# KiCad board vme-wren.kicad_pcb (continued)
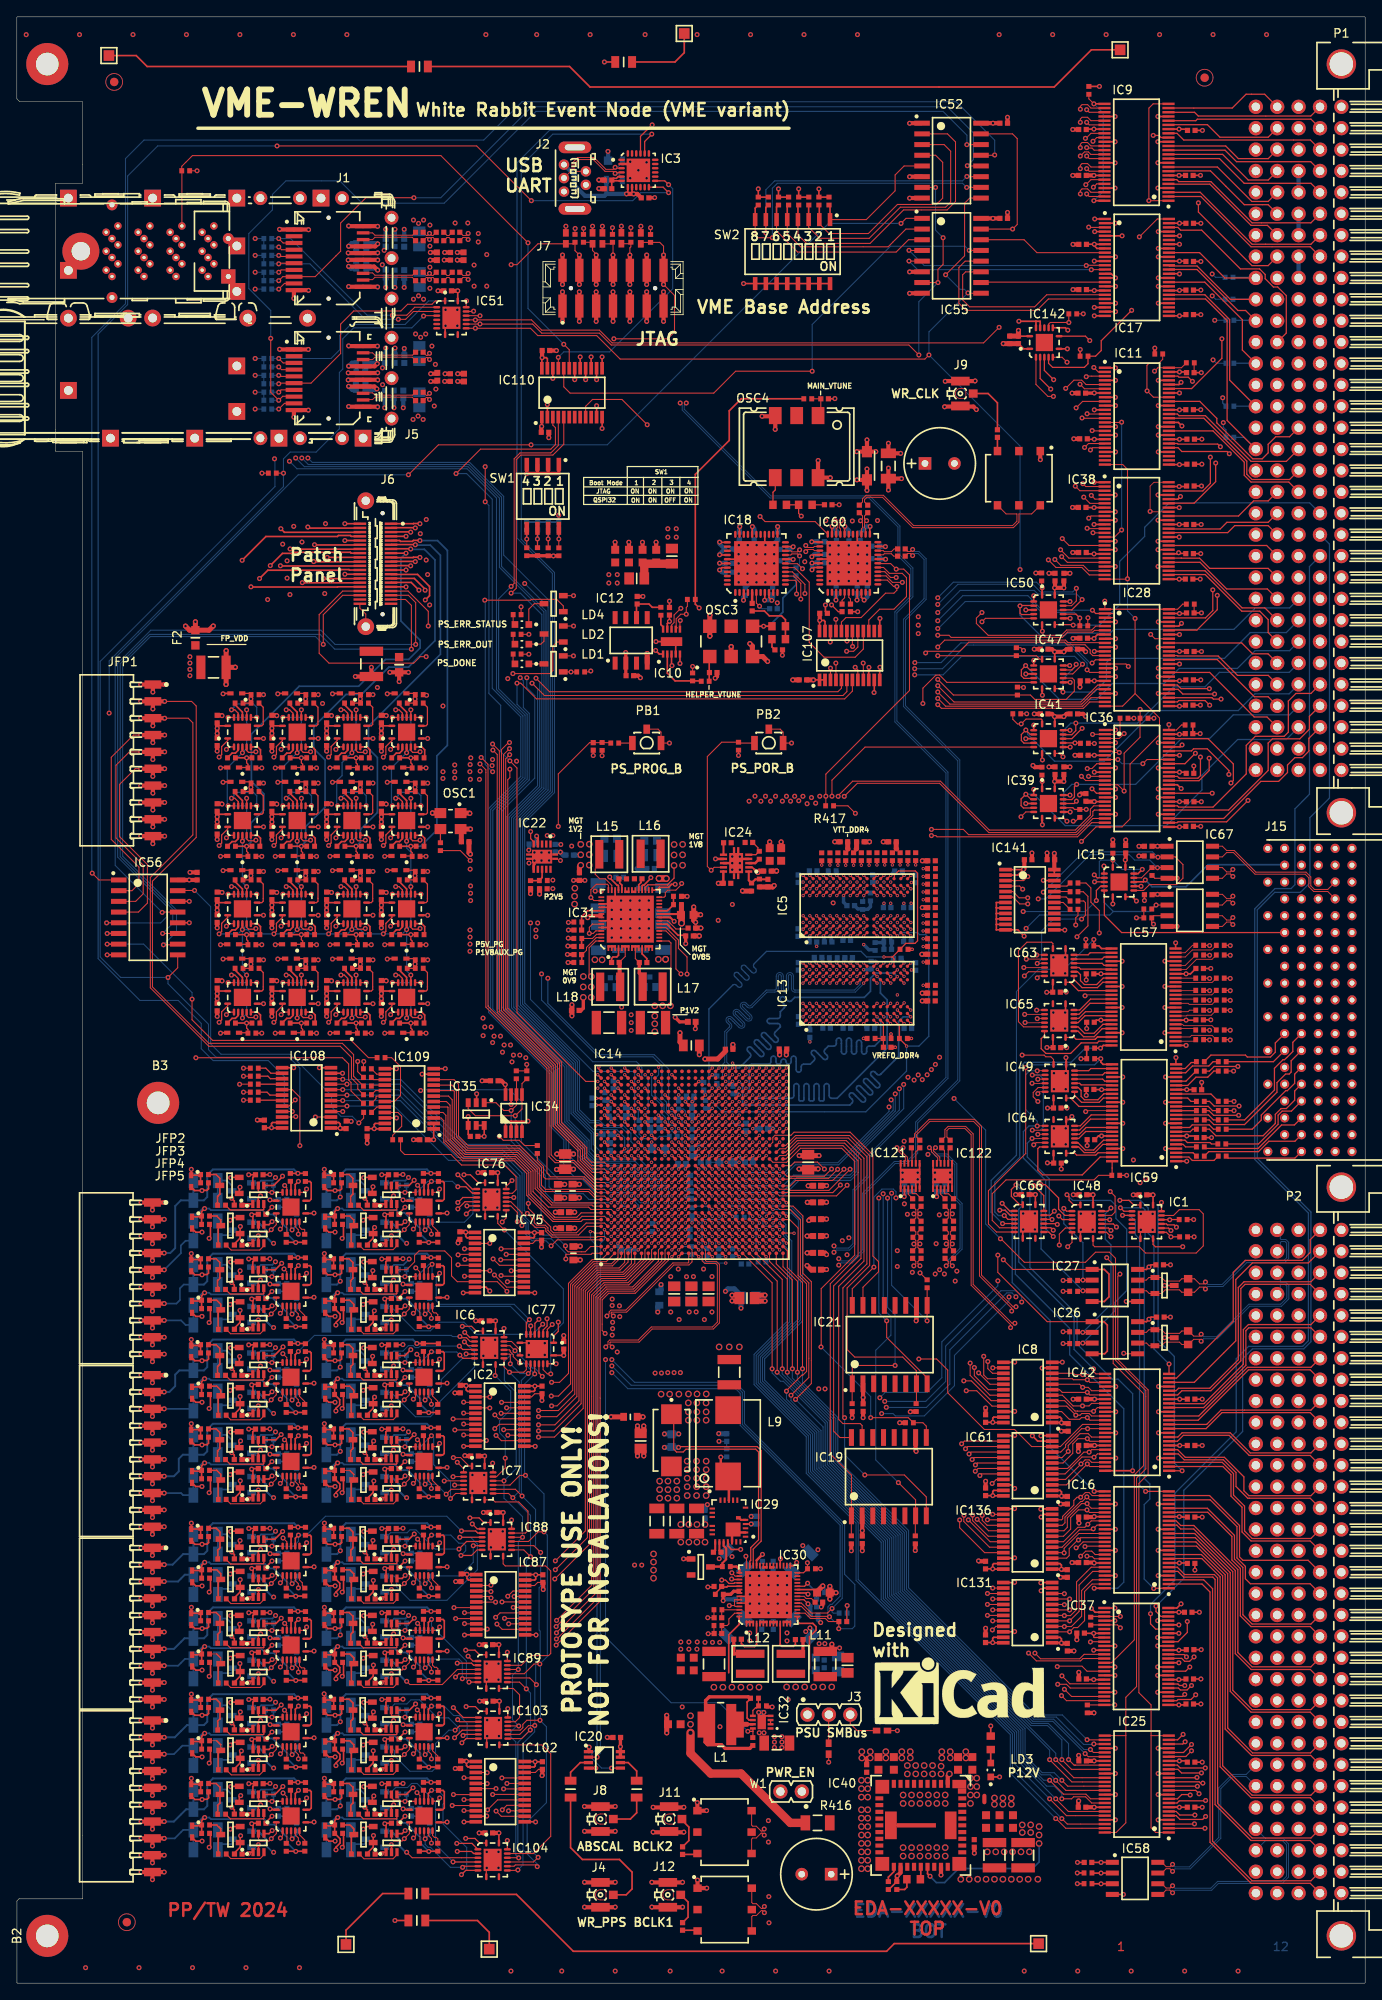
[diagram p0: board, top side]
## Routing (per net, layer and track width the routed paths; a pad name or vN(x,y) marks a point on that pad's centre or on a via; arc(x,y) is an arc through that point) (continued)
/fpga/USERIO_A.IO26: length 79.9
  Top Layer w0.125: IC16.33 128.28,54.39 v2(127.84,53.94) 127.73,53.83 126.2,53.83 124.13,51.76 IC136.5
  Top Layer w0.15: 78.6,90.27 IC14.N6
  L5 w0.125: v2(127.84,53.94) 125.2,53.94 123.13,56.01 123.13,57.26 110.93,69.46 110.93,74.56 107.93,77.56 103.34,77.56 102.19,78.71 92.12,78.71 85.33,78.71 82.36,81.69 80.81,81.69 79.04,83.45 79.04,85.26 78.2,86.1 78.2,89.87 v1(78.59,90.26)
/fpga/USERIO_A.IO27: length 78.1
  Top Layer w0.125: IC136.6 124.3,52.41 126.02,54.13 126.84,54.13 v2(127.19,54.48) 127.6,54.89 IC16.32
  Top Layer w0.15: 79.4,91.07 IC14.P7
  L5 w0.125: v2(127.19,54.48) 125.98,55.69 125.98,56.65 124.22,58.41 122.33,58.41 111.18,69.56 111.18,74.66 108.03,77.81 103.44,77.81 102.29,78.96 85.58,78.96 82.94,81.61 82.94,82.01 79,85.94 79,90.67 v1(79.39,91.06)
/fpga/USERIO_A.IO28: length 77.5
  Top Layer w0.125: IC16.30 127.39,55.89 v2(127.09,56.19) 126.07,56.19 125.15,55.28 125.15,53.91 124.3,53.06 IC136.7
  Top Layer w0.15: 79.4,90.27 IC14.P6
  L5 w0.125: v1(79.39,90.26) 79.39,90.01 79.85,89.55 79.85,85.45 83.19,82.11 83.19,81.71 85.69,79.21 87.58,79.21 108.53,79.21 111.43,76.32 111.43,69.67 122.43,58.66 124.32,58.66 126.79,56.19 v2(127.09,56.19)
/fpga/USERIO_A.IO29: length 78.5
  Top Layer w0.125: IC16.29 127.6,56.39 127.19,56.79 127.19,56.85 v2(127.1,56.94) 126.44,56.94 124.75,55.25 124.75,54.11 124.35,53.71 IC136.8
  Top Layer w0.15: IC14.R7 80.98,91.07
  L5 w0.125: v2(127.1,56.94) 126.4,56.94 124.43,58.91 122.54,58.91 111.68,69.77 111.68,76.42 108.64,79.46 85.79,79.46 83.44,81.81 83.44,82.21 80.1,85.55 80.1,89.79 79.8,90.09 79.8,90.43 80.44,91.06 v1(80.99,91.06)
/fpga/USERIO_A.IO30: length 75.1
  Top Layer w0.125: IC16.27 127.42,57.39 v2(127.07,57.74) 126.52,57.19 126.34,57.19 124.48,55.33 124.48,54.66 124.18,54.36 IC136.9
  Top Layer w0.15: 80.65,90.69 81.04,90.29
  L5 w0.125: v1(80.99,90.25) 80.99,90.01 80.6,89.62 80.6,86.1 81.17,85.54 82.01,85.54 84.24,83.3 85.85,83.3 89.19,79.96 108.84,79.96 112.18,76.63 112.18,73.23 113.1,72.31 113.1,71.09 116.39,67.8 116.39,65.81 122.76,59.44 125.37,59.44 v2(127.07,57.74)
/fpga/USERIO_A.IO31: length 76.4
  Top Layer w0.125: IC136.10 124.08,55.01 124.2,55.14 124.2,55.43 125.53,56.75 125.53,57.31 125.91,57.69 v2(126.34,57.69) 126.89,58.25 127.34,58.25 127.7,57.89 IC16.26
  Top Layer w0.15: IC14.T7 81.78,91.07
  L5 w0.125: v1(81.79,91.06) 81.4,90.67 80.83,90.67 80.6,90.45 80.6,90.13 80.35,89.88 80.35,86 81.06,85.29 81.9,85.29 84.14,83.05 85.75,83.05 89.09,79.71 108.74,79.71 111.93,76.52 111.93,69.87 122.62,59.19 124.81,59.19 126.3,57.69 v2(126.34,57.69)
/fpga/USERIO_A.OE_N0: length 46.3
  Top Layer w0.15: IC66.15 121.96,93.51 v2(120.76,94.71)
  Top Layer w0.2: v2(132.51,60.84) 132.51,60.84 IC42.48
  Bottom Layer w0.15: v2(120.76,94.71) 120.31,94.26 120.31,84.99 125.91,79.39 125.91,75.89 130.09,71.71 130.79,71.71 132.51,69.99 v2(132.51,60.84)
/fpga/USERIO_A.OE_N1: length 31.1
  Top Layer w0.125: v2(127.86,72.94) 127.86,72.64 128.16,72.34 IC42.25
  Top Layer w0.15: IC66.1 119.1,92.44 118.11,93.43 118.11,94.24 v2(118.66,94.79)
  Bottom Layer w0.15: v2(127.86,72.94) 125.56,75.24 125.56,79.06 118.99,85.64 118.99,91.9 119.36,92.27 119.36,94.09 v2(118.66,94.79)
/fpga/USERIO_A.OE_N2: length 57.9
  Top Layer w0.15: IC66.2 117.91,91.69 v2(117.01,92.59)
  Top Layer w0.2: IC16.48 127.95,46.89 v2(127.95,46.89)
  Bottom Layer w0.15: v2(127.95,46.89) 130.74,46.89 131.46,47.61 131.46,68.19 125.04,74.62 125.04,77.74 118.59,84.19 118.59,91.01 v2(117.01,92.59)
/fpga/USERIO_A.OE_N3: length 41.7
  Top Layer w0.15: v2(116.73,91.77) 117.36,91.77 117.95,91.19 IC66.3
  Top Layer w0.2: v2(127.95,58.39) 127.95,58.39 IC16.25
  Bottom Layer w0.15: v2(116.73,91.77) 117.4,91.77 118.21,90.96 118.21,83.19 122.71,78.69 122.71,63.62 v2(127.95,58.39)
/I2C.SCL: length 192
  Top Layer w0.125: IC30.18 93.17,44.73 94.35,43.55 96.46,43.55 v2(96.51,43.5) ; IC31.18 77.09,124.94 78.27,123.75 78.27,120.42 v2(78.87,119.83) ; J3.3 98.98,30.81 99.8,29.99 D8.1
  Top Layer w0.2: IC14.H21 74.6,103.06
  L3 w0.125: 78.95,119.83 78.86,119.74 78.86,114.67 74.61,110.42 v1(74.61,107.86) ; v2(96.51,43.5) 96.06,43.95 96.06,44.64 96.41,44.99 97.24,44.99 100.24,41.99 100.24,34.76 98.98,33.5 J3.3 ; v2(53.82,125.04) 61.64,125.04 v2(61.64,125.04)
  L5 w0.125: v2(53.82,125.04) 51.62,122.85 51.62,107.88 61.23,98.27 61.23,91.3 60.98,91.05 60.98,86.66 67.91,79.74 67.91,74.64 69.37,73.19 69.96,73.19 v2(70.66,72.49) ; v2(78.87,119.83) 78.22,120.48 65.23,120.48 62.84,122.87 62.84,123.84 v2(61.64,125.04)
  Bottom Layer w0.125: v1(74.59,103.06) 74.98,103.45 74.98,107.49 v1(74.61,107.86) ; v2(70.66,72.49) 72.57,70.58 85.36,70.58 85.91,70.03 85.91,66.23 97.78,54.37 97.78,45.95 96.8,44.97 96.61,44.97 96.33,44.69 96.33,43.69 v2(96.51,43.5) 97.08,42.93 R25.1
/I2C.SDA: length 189
  Top Layer w0.125: J3.2 96.41,31.86 D7.1 ; v2(96.81,44.49) 96.27,43.94 94.35,43.94 93.17,45.13 IC30.19 ; IC31.19 77.09,125.34 78.57,123.85 78.57,122.87 79.59,121.85 v2(79.59,119.81)
  Top Layer w0.15: 77,102.26 IC14.L20
  L3 w0.125: v2(79.59,119.81) 79.59,115.04 75.39,110.84 v1(75.39,107.88) ; v2(61.64,124.24) 61.6,124.2 v2(53.82,124.2) ; J3.2 99.54,34.98 99.54,41.76 v2(96.81,44.49)
  L5 w0.125: v2(53.82,124.2) 51.96,122.34 51.96,108.92 55.09,105.79 55.09,104.77 61.48,98.38 61.48,90.49 61.96,90.01 61.96,88.91 61.67,88.62 61.67,86.33 68.16,79.84 68.16,74.74 69.47,73.44 70.51,73.44 v2(70.66,73.29) ; v2(79.59,119.81) 79.13,119.34 77.21,119.34 76.36,120.19 65.05,120.19 61.64,123.6 v2(61.64,124.24)
  Bottom Layer w0.125: v1(76.99,102.26) 76.99,102.82 76.6,103.21 76.6,104.22 75.39,105.43 v1(75.39,107.88) ; v2(70.66,73.29) 72.96,70.99 85.31,70.99 86.16,70.13 86.16,66.33 98.03,54.47 98.03,45.7 v2(96.81,44.49) 96.81,44.09 96.96,43.94 R26.1
/io_drivers_fp/bank0/EN0: length 23.4
  Top Layer w0.125: IC23.4 48.36,89.57 v2(48.49,89.43) ; IC23.1 46.61,90.05 v2(46.01,89.46) 45.74,89.18 44.73,89.18 44.49,89.42 IC33.5
  Top Layer w0.15: IC76.2 54.07,94.29 v2(52.37,95.98)
  L8 w0.125: v2(46.01,89.46) 46.43,89.05 48.1,89.05 v2(48.49,89.43)
  Bottom Layer w0.125: R6.1 53.16,90.35 54.16,91.36 54.16,94.19 v2(52.37,95.98)
  Bottom Layer w0.2: v2(48.49,89.43) 49.01,89.95 R6.1
/io_drivers_fp/bank0/EN1: length 15.6
  Top Layer w0.15: IC43.5 44.48,94.08 44.57,93.99 45.44,93.99 45.53,93.9 IC23.13 ; v2(52.37,94.56) 53.33,94.56 54.1,93.79 IC76.3
  Top Layer w0.2: IC23.10 48.86,94.82 v2(49.24,95.2)
  Bottom Layer w0.125: v2(46.09,93.88) 47.49,93.88 48.81,95.2 v2(49.24,95.2) 51.73,95.2 v2(52.37,94.56)
  Bottom Layer w0.2: R10.1 46.27,94.07 v2(46.09,93.88)
/io_drivers_fp/bank0/EN2: length 34.6
  Top Layer w0.125: IC44.4 32.56,89.57 v2(32.69,89.43) ; IC44.1 30.81,90.05 v2(30.21,89.46) 29.94,89.18 28.93,89.18 28.69,89.42 IC45.5
  Top Layer w0.15: v2(53.45,92.29) IC76.6
  L3 w0.125: v2(32.69,89.43) 32.08,89.43 31.49,90.02 30.78,90.02 v2(30.21,89.46)
  L8 w0.125: v2(32.69,89.43) 32.91,89.66 40.92,89.66 41.54,90.27 43.5,90.27 44.14,90.91 47.08,90.91 47.9,90.09 52.9,90.09 53.87,91.06 53.87,91.73 53.51,92.09 53.51,92.13
  Bottom Layer w0.2: R197.1 33.21,89.95 v2(32.69,89.43)
/io_drivers_fp/bank0/EN3: length 34.1
  Top Layer w0.15: IC46.5 28.68,94.08 28.76,94 29.69,94 29.79,93.9 IC44.13 ; v2(53.38,91.33) 53.84,91.79 IC76.7
  Top Layer w0.2: IC44.10 33.06,94.82 v2(33.44,95.2)
  L3 w0.125: v2(30.29,93.88) 30.29,94.4 31.09,95.2 v2(33.44,95.2)
  L8 w0.125: v2(33.44,95.2) 33.44,94.57 35.37,92.63 41.6,92.63 42.39,91.84 44.06,91.84 44.56,91.34 47.6,91.34 48.6,90.34 52.46,90.34 53.38,91.26
  Bottom Layer w0.2: v2(30.29,93.88) 30.47,94.07 R48.1
/io_drivers_fp/bank0/EN4: length 54.4
  Top Layer w0.125: IC53.4 32.56,79.57 v2(32.69,79.43) ; IC53.1 30.81,80.05 v2(30.21,79.46) 29.94,79.18 28.93,79.18 28.69,79.42 IC54.5
  Top Layer w0.15: IC77.2 63,77.63 v2(63.58,78.21)
  L8 w0.125: v2(30.21,79.46) 30.78,80.02 32.1,80.02 v2(32.69,79.43) 32.69,86.15 33.65,87.11 36.72,87.11 37.08,86.75 49.26,86.75 50.69,85.32 50.69,83.23 52.72,81.2 61.36,81.2 63.58,78.97 v2(63.58,78.21)
  Bottom Layer w0.2: v2(32.69,79.43) 33.21,79.95 R198.1
/io_drivers_fp/bank0/EN5: length 48.6
  Top Layer w0.15: IC53.13 29.7,83.9 29.57,84.03 28.73,84.03 28.68,84.08 IC68.5 ; v2(62.97,78.89) 62.97,78.02 62.5,77.55 IC77.3
  Top Layer w0.2: v2(33.44,85.2) 33.06,84.82 IC53.10
  L3 w0.125: v2(33.44,85.2) 32.14,86.5 29.85,86.5 29.57,86.22 29.57,84.61 v2(30.29,83.88)
  L8 w0.125: v2(62.97,78.89) 60.92,80.95 52.62,80.95 48.44,85.13 48.44,85.46 47.39,86.5 37.17,86.5 35.87,85.2 v2(33.44,85.2)
  Bottom Layer w0.2: v2(30.29,83.88) 30.47,84.07 R49.1
/io_drivers_fp/bank0/EN6: length 23.6
  Top Layer w0.125: IC69.4 48.36,79.57 v2(48.49,79.43) ; IC70.5 44.49,79.42 44.73,79.18 45.74,79.18 v2(46.01,79.46) 46.61,80.05 IC69.1
  Top Layer w0.15: v2(61.03,78.03) 61,78.01 IC77.6
  L8 w0.125: v2(46.01,79.46) 46.58,80.02 47.9,80.02 v2(48.49,79.43)
  Bottom Layer w0.125: R203.1 58.62,80.35 60.94,78.03 v2(61.03,78.03)
  Bottom Layer w0.2: R203.1 49.01,79.95 v2(48.49,79.43)
/io_drivers_fp/bank0/EN7: length 28.4
  Top Layer w0.125: IC69.10 48.86,84.89 v2(49.31,85.35)
  Top Layer w0.15: v2(60.88,78.78) 60.5,78.41 IC77.7 ; IC69.13 45.58,83.9 45.45,84.03 44.53,84.03 44.48,84.08 IC71.5
  Bottom Layer w0.125: v2(46.09,83.88) 47.49,83.88 48.95,85.35 v2(49.31,85.35) 49.31,84.23 49.8,83.74 49.8,81.04 50.24,80.6 59.06,80.6 v2(60.88,78.78)
  Bottom Layer w0.2: v2(46.09,83.88) 46.27,84.07 R140.1
/io_drivers_fp/bank0/OUT0: length 18
  Top Layer w0.125: IC75.21 v2(57.51,87.19) ; v2(49.23,88.93) 49.23,89.44 48.86,89.82 IC23.5 ; IC23.2 47.36,89.8 v2(47.09,89.53)
  L3 w0.125: v2(57.51,87.19) 57.51,88.43 56.29,89.65 49.94,89.65 v2(49.23,88.93) 47.69,88.93 v2(47.09,89.53)
/io_drivers_fp/bank0/OUT1: length 21.3
  Top Layer w0.125: v2(50.2,94.29) 49.81,93.9 IC23.9 ; IC75.20 v2(58.11,86.54) ; v2(47.59,94.73) 47.86,94.46 IC23.12
  L3 w0.125: v2(58.11,86.54) 58.11,88.53 56.5,90.14 50.7,90.14 50.2,90.64 v2(50.2,94.29) 48.03,94.29 v2(47.59,94.73)
/io_drivers_fp/bank0/OUT2: length 33.9
  Top Layer w0.125: IC44.2 31.56,89.8 v2(31.29,89.53) ; IC44.5 33.06,89.83 33.43,89.45 v2(33.43,88.93) ; IC75.19 v2(57.46,85.89)
  L3 w0.125: v2(57.46,85.89) 56.86,85.29 55.74,85.29 55.25,84.8 51.7,84.8 49.36,87.14 35.23,87.14 v2(33.43,88.93) 31.89,88.93 v2(31.29,89.53)
/io_drivers_fp/bank0/OUT3: length 34.8
  Top Layer w0.125: v2(34.4,94.29) 34.01,93.9 IC44.9 ; v2(56.56,85.99) 57.31,85.24 IC75.18 ; IC44.12 32.06,94.45 v2(31.8,94.71)
  L3 w0.125: v2(31.8,94.71) 33.98,94.71 v2(34.4,94.29) 36.06,92.64 41.6,92.64 45.8,88.43 49.56,88.43 52.19,85.81 52.61,85.81 53.07,85.35 55.45,85.35 56.08,85.99 v2(56.56,85.99)
/io_drivers_fp/bank0/OUT4: length 34.4
  Top Layer w0.125: IC53.2 31.56,79.8 v2(31.29,79.53) ; v2(33.43,78.93) 33.43,79.46 33.06,79.84 IC53.5 ; IC75.17 v2(58.71,84.59)
  L3 w0.125: v2(58.71,84.59) 58.71,84.5 57,82.79 47.44,82.79 46.09,81.44 44.18,81.44 43.89,81.72 38.55,81.72 35.76,78.93 v2(33.43,78.93) 31.89,78.93 v2(31.29,79.53)
/io_drivers_fp/bank0/OUT5: length 32.1
  Top Layer w0.125: IC53.9 34.01,83.9 v2(34.4,84.29) ; IC75.16 57.59,83.94 v2(57.51,84.02) ; IC53.12 32.06,84.46 v2(31.73,84.8)
  L3 w0.125: v2(57.51,84.02) 56.62,83.14 47.53,83.14 46.29,84.37 43,84.37 42.71,84.09 38.51,84.09 38,84.6 35.72,84.6 35.42,84.29 v2(34.4,84.29) 32.23,84.29 v2(31.73,84.8)
/io_drivers_fp/bank0/OUT6: length 17.8
  Top Layer w0.125: v2(47.09,79.53) 47.36,79.8 IC69.2 ; v2(58.26,83.29) IC75.15 ; IC69.5 48.86,79.8 49.23,79.42 v2(49.23,78.93)
  L3 w0.125: v2(47.09,79.53) 47.69,78.93 v2(49.23,78.93) 53.91,78.93 v2(58.26,83.29)
/io_drivers_fp/bank0/OUT7: length 16.2
  Top Layer w0.125: v2(47.37,84.93) 47.86,84.45 IC69.12 ; IC75.14 58.16,82.64 v2(56.71,84.09) ; v2(50.2,84.29) 49.81,83.9 IC69.9
  L3 w0.125: v2(56.71,84.09) 53.74,84.09 53.38,84.45 50.36,84.45 v2(50.2,84.29) 48.01,84.29 v2(47.37,84.93)
/io_drivers_fp/bank0/TERM_EN0: length 27
  Top Layer w0.15: IC76.15 58.11,94.61 v2(58.8,95.29)
  L8 w0.125: v2(46.29,87.84) 46.68,87.46 50.62,87.46 54.48,91.32 54.48,93.91 55.88,95.31 58.83,95.31
  Bottom Layer w0.2: 45.35,88.67 46.18,87.84 ; 45.35,88.67 45.35,89.46 ; 45.35,88.67 46.18,87.84 ; 45.35,88.67 45.35,89.46 ; 46.18,87.84 v2(46.29,87.84) 46.18,87.84 ; 45.35,89.46 45.12,89.69 ; 45.35,89.46 45.12,89.69 ; 44.47,90.35 T40.1 44.47,90.35 ; 44.47,90.35 45.12,89.69 ; 44.47,90.35 45.12,89.69
/io_drivers_fp/bank0/TERM_EN1: length 13.3
  Top Layer w0.15: v2(53.1,95.98) 53.86,95.98 54.81,95.04 IC76.1
  L8 w0.125: v2(53.1,95.98) 52.45,96.63 47.49,96.63 v2(46.51,95.66)
  Bottom Layer w0.2: v2(46.51,95.66) 46.14,95.29 44.8,95.29 44.54,95.02 T5.1
/io_drivers_fp/bank0/TERM_EN2: length 44.4
  Top Layer w0.15: IC76.4 52.97,93.29 v2(52.37,92.69)
  L8 w0.125: 52.58,92.76 47.9,92.76 45.6,95.06 35.57,95.06 33.75,96.88 30.23,96.88 29.57,96.22 29.57,88.77 v2(30.49,87.84)
  Bottom Layer w0.2: 28.67,90.35 T41.1 28.67,90.35 ; 28.67,90.35 29.32,89.69 ; 28.67,90.35 29.32,89.69 ; 29.32,89.69 29.55,89.46 ; 29.32,89.69 29.55,89.46 ; 29.55,89.46 29.55,88.67 ; 29.55,89.46 29.55,88.67 ; 29.55,88.67 30.38,87.84 ; 29.55,88.67 30.38,87.84 ; 30.38,87.84 v2(30.49,87.84) 30.38,87.84
/io_drivers_fp/bank0/TERM_EN3: length 30.5
  Top Layer w0.15: IC76.5 53.22,92.79 v2(52.37,91.94)
  L8 w0.125: 52.58,91.86 52.52,91.92 47.99,91.92 47.71,91.64 44.61,91.64 42.61,93.64 41.56,93.64 40.43,94.78 35.44,94.78 33.58,96.63 31.18,96.63 30.71,96.17 v2(30.71,95.66)
  Bottom Layer w0.2: v2(30.71,95.66) 30.34,95.29 29,95.29 28.74,95.02 T7.1
/io_drivers_fp/bank0/TERM_EN4: length 48
  Top Layer w0.15: IC77.15 v2(64.05,73.54)
  L8 w0.125: v2(30.49,77.84) 30.88,77.46 38.42,77.46 39.12,78.16 43.49,78.16 44.46,77.19 50.5,77.19 52.04,78.72 53.73,78.72 54.3,78.15 57.06,78.15 57.34,78.43 57.99,78.43 58.88,77.55 62.21,77.55 64.05,75.7 v2(64.05,73.54)
  Bottom Layer w0.2: 30.38,77.84 v2(30.49,77.84) 30.38,77.84 ; 30.38,77.84 29.55,78.67 ; 30.38,77.84 29.55,78.67 ; 29.32,79.69 29.55,79.46 ; 29.32,79.69 28.67,80.35 ; 29.32,79.69 28.67,80.35 ; 29.32,79.69 29.55,79.46 ; 29.55,79.46 29.55,78.67 ; 29.55,79.46 29.55,78.67 ; 28.67,80.35 T42.1 28.67,80.35
/io_drivers_fp/bank0/TERM_EN5: length 45.1
  Top Layer w0.15: v2(64.3,78.49) 64.3,77.39 63.75,76.84 IC77.1
  L8 w0.125: v2(30.71,85.66) 32.42,87.36 36.82,87.36 37.16,87.02 49.35,87.02 50.94,85.43 50.94,83.33 52.83,81.45 61.46,81.45 64.3,78.61 v2(64.3,78.49)
  Bottom Layer w0.2: v2(30.71,85.66) 30.34,85.29 29,85.29 28.74,85.02 T9.1
/io_drivers_fp/bank0/TERM_EN6: length 22.9
  Top Layer w0.15: IC77.4 62,77.79 v2(62.45,78.24)
  Bottom Layer w0.125: v2(62.45,78.24) 61.25,77.04 54.54,77.04 53.11,78.47 50.14,78.47 49.12,77.46 47.31,77.46 44.42,80.35 T43.1
/io_drivers_fp/bank0/TERM_EN7: length 24.6
  Top Layer w0.15: IC77.5 61.53,77.06 61.53,78.34 v2(62,78.82)
  L8 w0.125: v2(46.59,85.97) 46.59,84.5 47.44,83.65 48.09,83.65 52.47,79.27 61.55,79.27 v2(62,78.82)
  Bottom Layer w0.2: T11.1 44.54,85.02 44.8,85.29 45.91,85.29 v2(46.59,85.97)
/io_drivers_fp/bank1/EN0: length 34.9
  Top Layer w0.125: IC79.5 28.69,69.22 28.93,68.98 29.94,68.98 v2(30.21,69.26) 30.81,69.85 IC78.1 ; v2(32.69,69.23) 32.56,69.37 IC78.4
  Top Layer w0.15: IC6.2 53.77,76.69 v2(53.19,77.27)
  L3 w0.125: v2(32.69,69.23) 32.3,68.85 30.63,68.85 v2(30.21,69.26)
  L8 w0.125: v2(53.19,77.27) 53.18,77.26 52.42,77.26 51.59,76.44 39.6,76.44 34.15,70.99 34.15,70.7 v2(32.69,69.23)
  Bottom Layer w0.2: v2(32.69,69.23) 33.21,69.75 R585.1
/io_drivers_fp/bank1/EN1: length 35.1
  Top Layer w0.15: IC6.3 53.84,76.19 53.39,76.64 52.76,76.64 v2(52.62,76.78) ; IC80.5 28.68,73.88 28.77,73.79 29.65,73.79 29.74,73.7 IC78.13
  Top Layer w0.2: IC78.10 33.06,74.62 v2(33.44,75)
  L3 w0.125: v2(33.44,75) 32.14,76.3 29.85,76.3 29.57,76.02 29.57,74.41 v2(30.29,73.68)
  Bottom Layer w0.125: v2(33.44,75) 35.35,76.91 51.6,76.91 51.74,76.78 v2(52.62,76.78)
  Bottom Layer w0.2: R154.1 30.47,73.87 v2(30.29,73.68)
/io_drivers_fp/bank1/EN2: length 17.3
  Top Layer w0.125: IC81.4 48.36,69.37 v2(48.49,69.23) ; IC81.1 46.61,69.85 v2(46.01,69.26) 45.74,68.98 44.73,68.98 44.49,69.22 IC82.5
  Top Layer w0.15: v2(53.36,74.71) 53.38,74.69 IC6.6
  L5 w0.125: v2(46.01,69.26) 46.43,68.85 48.1,68.85 v2(48.49,69.23)
  Bottom Layer w0.125: v2(53.36,74.71) 53.36,74.62 50.4,71.67 50.4,70.84 49.72,70.15 R586.1
  Bottom Layer w0.2: v2(48.49,69.23) 49.01,69.75 R586.1
/io_drivers_fp/bank1/EN3: length 15.1
  Top Layer w0.15: IC83.5 44.48,73.88 44.56,73.8 45.48,73.8 45.58,73.7 IC81.13 ; IC6.7 52.99,74.19 v2(52.61,74.56)
  Top Layer w0.2: IC81.10 48.86,74.6 v2(49.24,74.98)
  Bottom Layer w0.125: v2(46.09,73.68) 47.94,73.68 v2(49.24,74.98) 49.27,74.94 52.24,74.94 v2(52.61,74.56)
  Bottom Layer w0.2: R155.1 46.27,73.87 v2(46.09,73.68)
/io_drivers_fp/bank1/EN4: length 39.9
  Top Layer w0.125: v2(32.69,59.23) 32.56,59.37 IC84.4 ; v2(52.3,61.84) 53.05,61.09 IC7.2 ; IC84.1 30.81,59.85 v2(30.21,59.26) 29.94,58.98 28.93,58.98 28.69,59.22 IC85.5
  L8 w0.125: 30.26,59.26 v2(30.21,59.26) 30.63,58.84 32.29,58.84 v2(32.69,59.23) 32.69,65.95 33.65,66.91 36.72,66.91 37.08,66.55 47,66.55 51.71,61.84 v2(52.3,61.84)
  Bottom Layer w0.2: R587.1 33.21,59.75 v2(32.69,59.23)
/io_drivers_fp/bank1/EN5: length 36.5
  Top Layer w0.125: v2(51.8,60.13) 51.82,60.14 IC7.3
  Top Layer w0.15: IC86.5 28.68,63.88 28.76,63.8 29.49,63.8 29.59,63.7 IC84.13
  Top Layer w0.2: v2(33.44,65) 33.06,64.62 IC84.10
  L3 w0.125: v2(30.29,63.68) 29.57,64.41 29.57,66.02 29.85,66.3 32.14,66.3 v2(33.44,65)
  L8 w0.125: v2(51.8,60.13) 51.8,61.21 46.71,66.3 37.09,66.3 35.79,65 v2(33.44,65)
  Bottom Layer w0.2: R177.1 30.47,63.87 v2(30.29,63.68)
/io_drivers_fp/bank1/EN6: length 14.9
  Top Layer w0.125: IC7.6 51.58,58.64 v2(50.99,58.05) ; IC72.4 48.36,59.37 v2(48.49,59.23) ; IC72.1 46.61,59.85 v2(46.01,59.26) 45.74,58.98 44.73,58.98 44.49,59.22 IC73.5
  L8 w0.125: v2(46.01,59.26) 46.48,58.79 48.04,58.79 v2(48.49,59.23)
  Bottom Layer w0.125: v2(48.49,59.23) 49.81,59.23 v2(50.99,58.05)
  Bottom Layer w0.2: v2(48.49,59.23) 49.01,59.75 R388.1
/io_drivers_fp/bank1/EN7: length 19.9
  Top Layer w0.125: v2(51.5,57.54) 52.11,58.14 IC7.7
  Top Layer w0.15: IC74.5 44.48,63.88 44.53,63.83 45.43,63.83 45.56,63.7 IC72.13
  Top Layer w0.2: IC72.10 48.86,64.62 v2(49.24,65)
  Bottom Layer w0.125: v2(46.09,63.68) 47.92,63.68 v2(49.24,65) 49.5,64.73 49.5,61.57 51.5,59.57 v2(51.5,57.54)
  Bottom Layer w0.2: v2(46.09,63.68) 46.27,63.87 R141.1
/io_drivers_fp/bank1/IOEXP_D: length 3
  Top Layer w0.125: IC6.14 58.75,76.19 59.75,75.19 IC77.9
/io_drivers_fp/bank1/OUT0: length 41.9
  Top Layer w0.125: v2(33.43,68.73) 33.43,69.26 33.06,69.64 IC78.5 ; IC2.21 v2(57.56,68.96) ; IC78.2 31.56,69.6 v2(31.29,69.33)
  L3 w0.125: v2(33.43,68.73) 33.21,68.95 33.21,70.09 ; 33.21,70.09 33.21,71.68 37.96,76.43 50.41,76.43 51.6,75.24 51.6,72.44 52.2,71.84 54.69,71.84 v2(57.56,68.96) ; 33.21,70.09 31.61,70.09 31.29,69.76 v2(31.29,69.33)
/io_drivers_fp/bank1/OUT1: length 37.7
  Top Layer w0.125: IC78.12 32.06,74.28 v2(31.59,74.74) ; IC2.20 v2(58.16,68.31) ; v2(34.4,74.09) 34.01,73.7 IC78.9
  L3 w0.125: v2(58.16,68.31) 58.16,69.05 54.97,72.24 52.5,72.24 51.85,72.89 51.85,75.34 50.41,76.79 37.57,76.79 34.87,74.09 v2(34.4,74.09) 32.24,74.09 v2(31.59,74.74)
/io_drivers_fp/bank1/OUT2: length 17.1
  Top Layer w0.125: IC81.2 47.36,69.6 v2(47.09,69.33) ; IC81.5 48.86,69.64 49.23,69.26 v2(49.23,68.73) ; IC2.19 v2(57.51,67.66)
  L3 w0.125: v2(47.09,69.33) 47.69,68.73 v2(49.23,68.73) 49.97,69.47 53.26,69.47 53.64,69.1 56.08,69.1 v2(57.51,67.66)
/io_drivers_fp/bank1/OUT3: length 25.6
  Top Layer w0.125: IC2.18 57.23,67.01 v2(56.77,67.47) ; IC81.12 47.86,74.32 v2(47.5,74.67) ; IC81.9 49.81,73.7 v2(50.2,74.09)
  L3 w0.125: v2(50.2,74.09) 50.18,74.07 48.11,74.07 v2(47.5,74.67) 46.6,73.77 46.6,69.1 47.46,68.24 53.2,68.24 53.96,67.47 v2(56.77,67.47)
/io_drivers_fp/bank1/OUT4: length 37
  Top Layer w0.125: IC2.17 57.29,66.36 v2(56.76,65.84) ; v2(31.29,59.33) 31.56,59.6 IC84.2 ; v2(33.43,58.73) 33.43,59.18 33.06,59.56 IC84.5
  L3 w0.125: 33.43,59.74 v2(33.43,58.73) ; 33.43,59.74 31.69,59.74 v2(31.29,59.33) ; 33.43,59.74 33.43,60.8 39.06,66.43 52.17,66.43 52.7,65.9 53.26,65.9 53.73,66.36 56.24,66.36 v2(56.76,65.84)
/io_drivers_fp/bank1/OUT5: length 33.3
  Top Layer w0.125: v2(31.79,64.52) 32.06,64.25 IC84.12 ; v2(57.81,65.71) IC2.16 ; v2(34.4,64.09) 34.01,63.7 IC84.9
  L3 w0.125: v2(31.79,64.52) 32.22,64.09 v2(34.4,64.09) 34.4,65.08 36.24,66.91 51.05,66.91 51.61,67.47 52.01,67.47 52.3,67.19 53.61,67.19 54.06,66.74 56.79,66.74 v2(57.81,65.71)
/io_drivers_fp/bank1/OUT6: length 19.7
  Top Layer w0.125: v2(49.23,58.73) 49.23,59.29 48.86,59.67 IC72.5 ; v2(58.31,65.06) IC2.15 ; IC72.2 47.36,59.6 v2(47.09,59.33)
  L3 w0.125: v2(47.09,59.33) 47.69,58.73 v2(49.23,58.73) 49.23,60.48 51.99,63.24 56.49,63.24 v2(58.31,65.06)
/io_drivers_fp/bank1/OUT7: length 15.5
  Top Layer w0.125: 60.26,64.41 57.54,64.41 v2(56.91,65.04) ; v2(47.57,64.52) 47.86,64.23 IC72.12 ; v2(50.2,64.09) 49.81,63.7 IC72.9
  L3 w0.125: v2(47.57,64.52) 48,64.09 v2(50.2,64.09) 52.73,64.09 53.27,64.64 54.36,64.64 54.76,65.04 v2(56.91,65.04)
/io_drivers_fp/bank1/TERM_EN0: length 47.6
  Top Layer w0.15: IC6.15 v2(57.85,77.74)
  L8 w0.125: v2(57.85,77.74) 53.84,77.74 53.11,78.47 52.7,78.47 51.17,76.94 30.49,76.94 29.57,76.02 29.57,68.57 v2(30.49,67.64)
  Bottom Layer w0.2: 28.67,70.15 29.32,69.49 ; 28.67,70.15 T45.1 28.67,70.15 ; 28.67,70.15 29.32,69.49 ; 29.32,69.49 29.55,69.26 ; 29.32,69.49 29.55,69.26 ; 30.38,67.64 v2(30.49,67.64) 30.38,67.64 ; 30.38,67.64 29.55,68.47 ; 30.38,67.64 29.55,68.47 ; 29.55,69.26 29.55,68.47 ; 29.55,69.26 29.55,68.47
/io_drivers_fp/bank1/TERM_EN1: length 30.6
  Top Layer w0.15: v2(52.9,77.99) 54,77.99 54.55,77.44 IC6.1
  L8 w0.125: v2(30.71,75.46) 30.71,74.89 31.66,73.94 33.06,73.94 33.92,74.8 35.58,74.8 37.47,76.69 51.45,76.69 52.75,77.99 v2(52.9,77.99)
  Bottom Layer w0.2: v2(30.71,75.46) 30.34,75.09 29,75.09 28.74,74.82 T15.1
/io_drivers_fp/bank1/TERM_EN2: length 19.6
  Top Layer w0.15: IC6.4 53.6,75.69 v2(53.15,76.14)
  Bottom Layer w0.125: v2(53.15,76.14) 54.35,74.94 54.35,73.17 49.43,68.25 49.43,67.57 49.12,67.26 47.33,67.26 44.44,70.15 T46.1
/io_drivers_fp/bank1/TERM_EN3: length 11.4
  Top Layer w0.15: IC6.5 54.3,75.24 52.95,75.24 v2(52.55,75.64)
  Bottom Layer w0.125: T19.1 44.54,74.82 44.76,75.05 45.86,75.05 46.51,75.7 47.06,75.7 47.3,75.46 47.71,75.46 47.89,75.64 v2(52.55,75.64)
/io_drivers_fp/bank1/TERM_EN4: length 39.4
  Top Layer w0.125: IC7.15 56.55,61.69 v2(56.5,61.74)
  L8 w0.125: v2(30.49,57.64) 31.49,56.64 51.65,56.64 52.48,57.47 52.48,60.11 54.1,61.74 v2(56.5,61.74)
  Bottom Layer w0.2: 29.55,59.26 29.55,58.47 ; 29.55,59.26 29.55,58.47 ; 29.55,59.26 29.32,59.49 ; 29.55,59.26 29.32,59.49 ; 29.55,58.47 30.38,57.64 ; 29.55,58.47 30.38,57.64 ; 30.38,57.64 v2(30.49,57.64) 30.38,57.64 ; 28.67,60.15 29.32,59.49 ; 28.67,60.15 29.32,59.49 ; 28.67,60.15 T47.1 28.67,60.15
/io_drivers_fp/bank1/TERM_EN5: length 30.5
  Top Layer w0.125: IC7.1 53.71,61.39 52.7,62.4 v2(51.84,62.4)
  L8 w0.125: v2(30.71,65.46) 32.42,67.16 36.82,67.16 37.18,66.8 49.01,66.8 51.84,63.98 v2(51.84,62.4)
  Bottom Layer w0.2: T21.1 28.74,64.82 29,65.09 30.34,65.09 v2(30.71,65.46)
/io_drivers_fp/bank1/TERM_EN6: length 15.8
  Top Layer w0.125: IC7.4 50.77,59.64 v2(50.76,59.63)
  L8 w0.125: v2(50.76,59.63) 50.76,59.57 49.43,58.25 46.89,58.25 v2(46.29,57.64)
  Bottom Layer w0.2: 44.47,60.15 45.12,59.49 ; 44.47,60.15 T44.1 44.47,60.15 ; 44.47,60.15 45.12,59.49 ; 45.12,59.49 45.35,59.26 ; 45.12,59.49 45.35,59.26 ; 45.35,59.26 45.35,58.47 ; 45.35,59.26 45.35,58.47 ; 45.35,58.47 46.18,57.64 ; 45.35,58.47 46.18,57.64 ; 46.18,57.64 v2(46.29,57.64) 46.18,57.64
/io_drivers_fp/bank1/TERM_EN7: length 21.2
  Top Layer w0.125: IC7.5 51.99,59.14 v2(51.99,59.14)
  L8 w0.125: v2(51.99,59.14) 51.99,57.34 51.69,57.04 46.2,57.04 45.3,57.94 45.3,64.25 v2(46.51,65.46)
  Bottom Layer w0.2: T13.1 44.54,64.82 44.8,65.09 46.14,65.09 v2(46.51,65.46)
/io_drivers_fp/bank2/EN0: length 35.4
  Top Layer w0.125: IC96.1 30.82,48.05 v2(30.22,47.46) 29.95,47.18 28.94,47.18 28.7,47.42 IC97.5 ; v2(32.7,47.43) 32.57,47.56 IC96.4
  Top Layer w0.15: IC88.2 54.67,53.94 v2(54.09,54.52)
  L8 w0.125: v2(30.22,47.46) 30.63,47.04 32.31,47.04 v2(32.7,47.43) 33.99,47.43 35.79,49.23 35.79,49.4 41.01,54.63 53.98,54.63 v2(54.09,54.52)
  Bottom Layer w0.2: R590.1 33.22,47.95 v2(32.7,47.43)
/io_drivers_fp/bank2/EN1: length 33.7
  Top Layer w0.15: IC96.13 29.8,51.89 29.67,52.03 28.73,52.03 28.68,52.08 IC98.5 ; v2(52.8,53.69) 54.49,53.69 54.74,53.44 IC88.3
  Top Layer w0.2: v2(33.45,53.2) 33.07,52.82 IC96.10
  Bottom Layer w0.125: v2(52.8,53.69) 51.06,55.44 36.66,55.44 34.42,53.2 v2(33.45,53.2) 33.45,52.48 32.85,51.88 v2(30.3,51.88)
  Bottom Layer w0.2: R273.1 30.48,52.07 v2(30.3,51.88)
/io_drivers_fp/bank2/EN2: length 18.5
  Top Layer w0.125: IC90.4 48.37,47.56 v2(48.5,47.43) ; IC91.5 44.5,47.42 44.74,47.18 45.75,47.18 v2(46.02,47.46) 46.62,48.05 IC90.1
  Top Layer w0.15: v2(54.2,51.94) IC88.6
  L8 w0.125: v2(46.02,47.46) 46.59,48.02 47.91,48.02 v2(48.5,47.43)